# KiCad board OEM_ECU.kicad_pcb (continued)
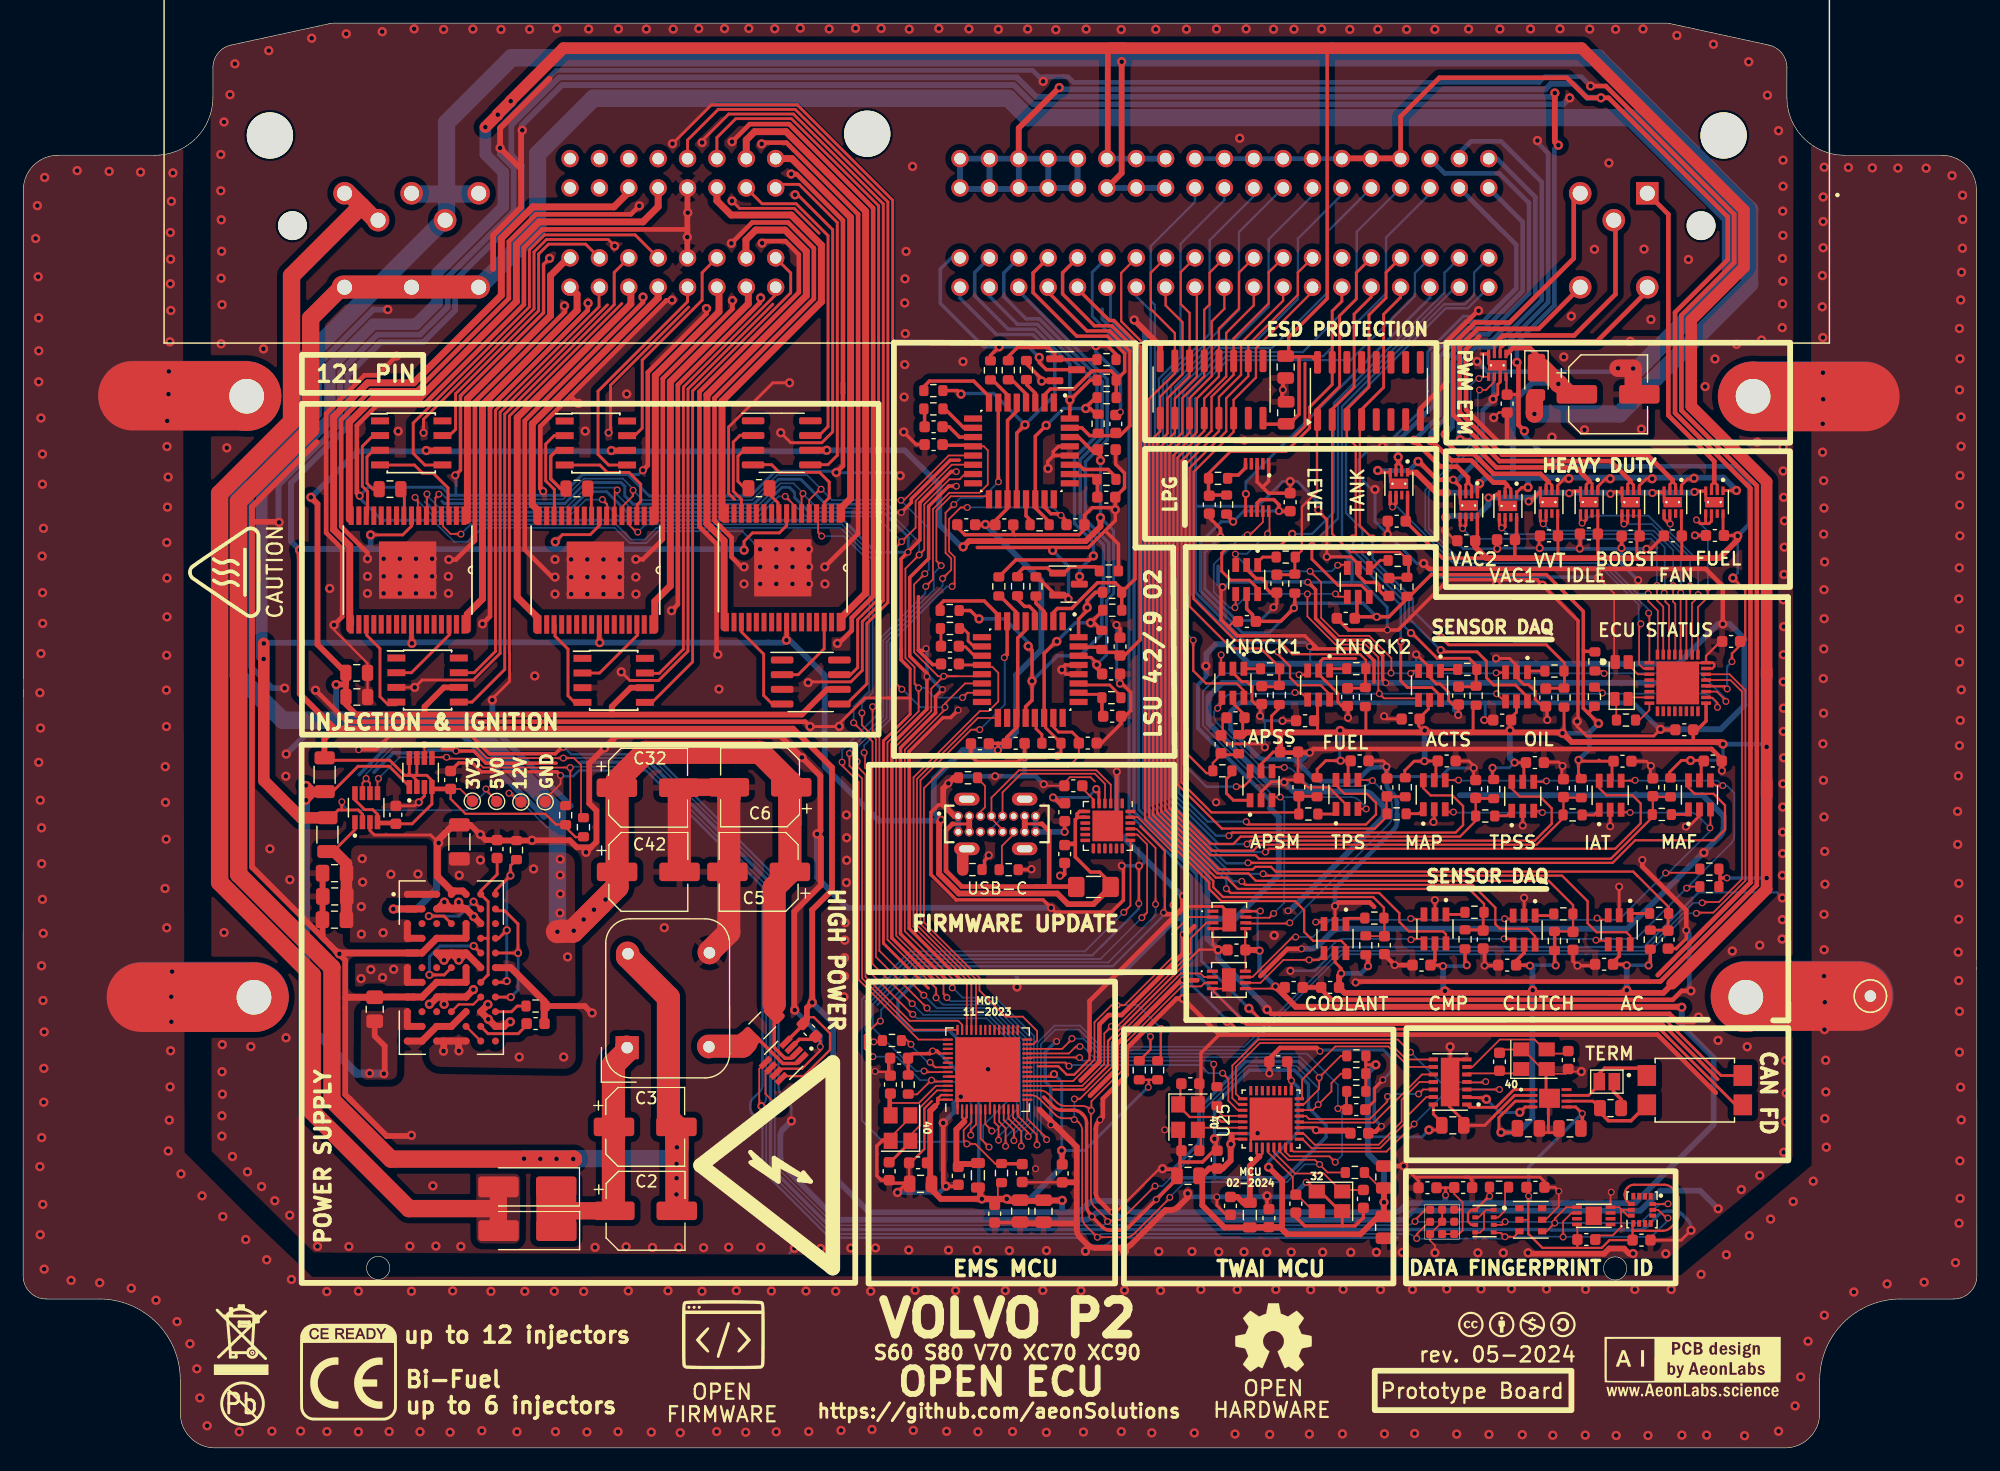
[diagram p0: board, top side]
## Routing (per net, layer and track width the routed paths; a pad name or vN(x,y) marks a point on that pad's centre or on a via; arc(x,y) is an arc through that point) (continued)
  Top w0.4: 28.42,71.81 28.42,71.23
  Top w0.6: 28.24,70.84 28.24,78.04 26.85,79.43 26.85,89.2 29.79,92.14 33.78,92.14 41.35,99.71 41.35,104.63 44.08,107.36 51.1,107.36 52.37,108.63 U15.95
INJ2: length 47.3
  Top w0.6: U15.94 54.91,107.37 53.6,106.06 44.62,106.06 42.65,104.09 42.65,99.17 34.32,90.84 30.33,90.84 28.21,88.72 28.21,80.32
INJ3: length 26.5
  Top w0.4: 38.17,80.63 38.16,80.64
  Top w0.6: U15.105 47.13,102.94 45.6,101.41 45.6,97.94 38.42,90.76 38.42,80.22
INJ4: length 33.8
  Top w0.6: U15.113 47.9,99.79 47.9,98.41 39.72,90.22 39.72,73.43 38.4,72.12 38.4,70.76
INJ5: length 34.5
  Top w0.6: U15.111 52.55,100.22 52.55,98.95 42.72,89.13 42.72,73.59 44.4,71.91 44.4,70.72
INJ6: length 25.4
  Top w0.4: 44.65,80.63 44.65,81.07
  Top w0.6: 44.41,80.14 44.41,81.2 44.03,81.59 44.03,88.59 54.91,99.48 U15.110
INJ7: length 22.6
  Top w0.6: 54.66,80.17 54.66,92.77 60.17,98.28 60.17,100.22 U15.108
INJ8: length 33.1
  Top w0.6: U15.107 62.71,100.22 62.71,98.98 55.96,92.23 55.96,74.57 54.62,73.23 54.62,70.73
INJ9: length 44.7
  Top w0.6: 60.61,70.94 60.61,78.47 59.13,79.95 59.13,91.09 67.73,99.68 67.73,103.51 65.88,105.35 63.35,105.35 62.5,104.5 62.5,102.97 U15.99
INJ10: length 39.1
  Top w0.6: 60.59,80.33 60.43,80.49 60.43,90.55 69.03,99.14 69.03,104.04 66.42,106.65 61.22,106.65 59.99,107.88 U15.92
INJ11: length 35
  Top w0.6: 65.07,111.53 66.46,111.53 71.55,106.44 71.55,82.13 70.78,81.36 70.78,80.35
INJ12: length 51.9
  Top w0.6: U15.83 62.53,113.14 63.25,113.86 65.97,113.86 72.85,106.98 72.85,73.93 70.82,71.9 70.82,70.96
KNOCK1_SENSE+: length 31.9
  Top w0.2: SP2.1 111.88,88.91 111.88,82.71 110.57,81.4 110.57,77.63 KNOCK1_R1.1
  Top w0.25: KNOCK1_C1.2 109.91,75.53 KNOCK1_R2.1 109.96,77.02 KNOCK1_R1.1 109.88,77.19 ; U15.39 115.28,101.65 115.28,99.38 113.83,97.93 113.83,91.81 111.93,89.91 SP2.1
KNOCK1_SENSE-: length 43.4
  Top w0.25: KNOCK1_SENSE1.6 106.75,74.34 106.03,75.06 104.41,75.06 103.64,75.83 103.64,77.4 104.32,78.08 108.75,78.08 v2(109.74,79.07)
  Bottom w0.2: v2(109.74,79.07) 111.45,79.07 113.34,80.96 113.34,90.39 122.9,99.95 122.9,101.65 U15.42
KNOCK2_SENSE+: length 33.3
  Top w0.2: SP2.2 113.2,79.07 114.77,77.5 119.04,77.5 119.68,76.85
  Top w0.25: 119.76,76.78 119.8,76.74 119.8,75.31 119.74,75.25 118.23,75.25 ; U15.20 116.57,99.56 115.09,98.08 115.09,91.76 113.2,89.87 SP2.2 ; KNOCK2_R2.1 119.68,76.85
KNOCK2_SENSE-: length 35.5
  Top w0.25: KNOCK2_SENSE1.6 116.4,73.93 115.71,74.62 113.7,74.62 111.44,76.88 v2(111.44,78.01)
  Bottom w0.2: v2(111.44,78.01) 111.44,78.15 113.69,80.4 113.69,90.25 123.85,100.4 U15.23
KTS_INT: length 101.4
  Top w0.15: 88.54,26.61 88.54,26.76 86.83,28.47 ESP32S1.15 ; KTS1.30 147.55,66.92 148.93,65.55 148.93,49.08 146.15,46.3 144.76,46.3
  Bottom w0.15: 88.55,26.59 88.01,27.14 88.01,34.92 89.26,36.18 91.31,36.18 93.09,34.4 105.72,34.4 114.02,42.7 140.41,42.7 143.95,46.24 v3(144.68,46.24)
  vias: v3(88.5,26.66)
KTS_RST: length 100.7
  Top w0.15: KTS1.29 147.63,66.42 148.63,65.43 148.63,49.2 146.64,47.22 145.13,47.22 ; 87.63,26.12 87.63,27.1 86,28.74 ESP32S1.14
  Bottom w0.15: v3(145.18,47.15) 144.44,47.15 140.29,43 113.89,43 105.59,34.7 93.22,34.7 91.39,36.53 89.19,36.53 87.71,35.05 87.71,26.46 87.57,26.32
  vias: v3(87.67,26.21)
LED_B_KTS10: length 2.3
  Top w0.15: 138.91,67.96 138.91,67.63 139.62,66.92 KTS1.11
LED_G_KTS15: length 1.8
  Top w0.15: KTS1.15 139.04,64.92 138.9,64.78
LED_R_KTS16: length 2.2
  Top w0.15: RGB_R1.1 139.76,62.96 140.62,63.82 KTS1.16
LPG-TANK_VALVE: length 33
  Top w0.25: 119.21,84.24 119.21,84.91 118.9,85.22 118.71,85.02 118.71,84.24
  Top w0.4: 118.9,85.65 118.9,85.22
  Bottom w0.4: v1(118.9,85.71) 118.9,87.12 121.94,90.16 121.94,94.64 124.72,97.42 126.22,97.42 129.11,100.31 129.11,104.07 U15.61
LPG_FUEL_SENSE+: length 27.2
  Top w0.25: U15.19 114.03,99.18 113.2,98.35 113.2,91.99 111.24,90.03 111.24,88.22 109.21,86.19 104.39,86.19 102.5,84.3 FUEL_LPG_R2.1
  Top w0.3: FUEL_LPG_R1.1 102.63,82.43 FUEL_LPG_C1.2 102.5,82.43 FUEL_LPG_R2.1
LPG_FUEL_SENSE-: length 26
  Top w0.25: U2.6 105.7,82.55
  Bottom w0.25: v2(105.73,82.52) 105.73,83.57 121.65,99.49 U15.22
LSU_HEAT2-: length 21.7
  Top w0.25: 80.37,102.94 U15.25
  Top w0.3: v1(84.4,95.25) 83.64,94.49 CJR22.2 83.64,94.14 ; 87.85,94.32 v1(87.86,94.33) 87.86,93.88 88.47,93.27 91.02,93.27
  Bottom w0.3: v1(87.86,94.33) 86.95,95.25 v1(84.4,95.25) 83.07,95.25 79.31,99.01 79.31,101.98 80.27,102.94 U15.25
LSU_HEAT-: length 42.4
  Top w0.3: v1(92.55,77.16) 92.2,76.81 85.83,76.81 CJR9.2 ; CJQ1.3 91.35,74.74 v1(91.35,75.38)
  Bottom w0.25: 83.55,99.76 U15.7 83.55,100.08
  Bottom w0.3: U15.7 83.55,99.62 85.96,97.21 87.68,97.21 92.85,92.05 92.85,87.58 90.92,85.64 90.92,79.97 92.55,78.34 v1(92.55,77.16) 91.35,75.96 v1(91.35,75.38)
LSU_IA: length 43.2
  Top w0.3: CJR1.1 95,74 CJR7.2 ; CJR1.1 96.15,75.17 96.15,95.06 94.13,97.07 92.63,97.07 89.88,99.82 89.88,101.65 U15.29 ; CJR1.1 94.99,74.28 94.43,74.84 92.9,74.84 90.67,72.61 89.43,72.61 89.09,72.27 89.09,71.51
LSU_IA2: length 25.7
  Top w0.3: 94.52,92.72 94.06,93.17 92.43,93.17 90.86,91.6 88.82,91.6 88.32,91.1 U12.2 ; 94.52,90.81 94.52,92.36 95.25,93.1 95.25,94.68 93.76,96.17 91.1,96.17 87.33,99.94 87.33,101.64 U15.28
LSU_IP: length 43
  Top w0.3: 91.27,70.13 91.27,71.7 92.01,72.44 v1(92.01,72.69) 92.01,73.32 92.71,74.01 CJR1.2
  Bottom w0.3: v1(92.01,72.69) 92.01,73.22 93.42,74.63 93.42,78.1 91.41,80.12 91.41,84.08 ; 91.41,84.08 91.41,85.5 93.3,87.39 93.3,92.23 87.87,97.66 86.73,97.66 84.8,99.59 84.8,101.65 U15.27 ; 91.41,84.08 91.41,84.81
LSU_IP2: length 22.3
  Top w0.3: CJR14.2 92.26,92.36 90.55,90.65 v1(90.51,90.65) 90.51,89.8 90.5,89.79 U12.32
  Bottom w0.3: U15.26 82.28,101.67 82.28,99.66 85.18,96.76 87.5,96.76 90.51,93.75 v1(90.51,90.65)
LSU_UN: length 38.8
  Top w0.3: 93.37,69.17 93.71,68.82 94.57,68.82 CJC1.2 95.23,68.54 96.6,69.91 96.6,95.24 94.32,97.52 93.92,97.52 91.17,100.27 U15.10 ; 93.07,69.27 91.33,69.27
LSU_UN2: length 21.9
  Top w0.3: 94.51,87.57 92.22,87.57 91.55,88.24 U12.31 ; 94.48,87.57 94.85,87.57 95.7,88.42 95.7,94.87 93.95,96.62 91.99,96.62 88.63,99.98 U15.9
LSU_VM: length 57.2
  Top w0.3: v1(82.66,71.71) 82.63,71.71 81.91,72.44 80.78,72.44 ; U28.20 86.69,64.12 87.24,64.67 v1(87.24,66.33) 87.24,69.02 v1(86.91,69.35)
  Bottom w0.25: 86.11,100.38 U15.8
  Bottom w0.3: U15.8 86.09,100.08 93.75,92.42 93.75,87.2 91.86,85.31 91.86,80.3 93.87,78.29 93.87,74.09 93.26,73.48 93.26,70.39 91.39,68.52 89.43,68.52 v1(87.24,66.33) ; 86.91,69.6 v1(86.91,69.35) 86.91,69.66 84.86,71.71 v1(82.66,71.71)
LSU_VM2: length 33.3
  Top w0.3: CJR16.2 80.79,91.46 v1(81.1,91.16) ; U12.20 85.92,87.79 v1(86.63,88.5)
  Bottom w0.3: U15.6 81.01,99.46 84.16,96.31 87.31,96.31 89.2,94.42 89.2,91.07 v1(86.63,88.5) 83.92,91.21 81.15,91.21 v1(81.1,91.16) ; 80.83,99.9 80.82,99.91
MAF_SENSE+: length 99.1
  Top w0.2: 98.76,78.01 98.76,78.38 ; 98.76,78.01 98.76,55.18 102.67,51.27 106.56,51.27 106.87,50.96 137.3,50.96 140.87,54.54 MAF_R4.1 140.92,54.84 MAF_C3.2 140.98,56.31 MAF_R3.1 ; 98.76,78.01 98.76,86.33 100.23,87.8 100.23,90.81 102.13,92.71 SP1.5 102.13,98.45 102.59,98.91 102.59,101.66 U15.34
  Top w0.25: 142.33,56.34 142.36,56.31 ; 140.71,54.87 140.64,54.8
MAF_SENSE-: length 115.2
  Top w0.2: v3(105.91,50.61) 137.44,50.61 139.39,52.56 146.23,52.56 147.16,53.49 147.16,55.59 146.17,56.58 144.53,56.58 144,57.11 MAF_SENSE1.6
  Bottom w0.2: U15.54 106.41,108.28 102.6,104.47 102.6,96.38 98.56,92.33 98.56,78.58 ; v3(105.91,50.61) 105.87,50.57 104.04,50.57 98.56,56.06 98.56,78.58 ; 98.56,78.58 98.56,78.97
MAP_SENSE+: length 69.4
  Top w0.2: 117.89,56.37 117.89,54.89 ; 99.81,77.7 99.81,85.65 102.13,87.97 SP1.12 102.13,90.79 104.03,92.69 104.03,96.45 106.41,98.83 U15.16 ; 99.81,77.7 99.81,57.42 103.65,53.58 116.89,53.58 117.94,54.63 MAP_R2.1 ; 99.81,77.7 99.81,77.89
  Top w0.25: 119.47,56.33 117.93,56.33 117.89,56.37 ; 117.89,54.89 117.87,54.86
MAP_SENSE-: length 94
  Top w0.2: MAP_SENSE1.6 121.07,57.07 121.7,56.44 123.59,56.44 124.51,55.52 124.51,53.87 123.87,53.23 104.54,53.23 v3(104.26,52.95)
  Bottom w0.2: 99.61,78.13 99.61,78.37 ; 99.61,78.13 99.61,91.77 101.83,93.99 ; 99.61,78.13 99.61,56.49 103.15,52.95 v3(104.26,52.95) ; 101.83,93.99 103.33,95.49 106.34,95.49 110.23,99.38 110.23,104.61 114.03,108.41 U15.57 ; 101.83,93.99 102.06,94.22
MC33810_1-CS: length 103.7
  Top w0.15: v3(78.16,38.04) 78.16,38.05 73.74,42.47 73.74,61.32 72.53,62.53 v3(72.53,63.58) ; 37.84,79.07 36.96,79.07 36.3,79.73 36.3,80.51 U5.4 ; v3(84.34,26.61) 84.34,27.8 84,28.14 84,29.28
  Bottom w0.15: v3(72.53,63.58) 72.53,64.41 73.46,65.34 73.46,76.81 70.68,79.59 54.78,79.59 53.77,78.58 52.59,78.58 51.27,79.89 38.71,79.89 v3(37.86,79.05) ; v3(78.16,38.04) 78.45,37.75 83.58,37.75 86.21,35.13 86.21,28.8 84.34,26.94 v3(84.34,26.61)
MC33810_2-CS: length 87.1
  Top w0.15: v3(77.89,39.16) 74.04,43 74.04,61.44 73.45,62.03 v3(73.45,64.12) ; 84.4,29.28 84.4,28.21 84.95,27.66 v3(84.95,26.09) ; 52.45,80.63 52.45,79.8 53.03,79.22 v3(53.15,79.22)
  Bottom w0.15: v3(53.15,79.22) 53.83,79.89 70.8,79.89 73.76,76.93 73.76,64.43 v3(73.45,64.12) ; v3(77.89,39.16) 78.99,38.05 83.7,38.05 86.51,35.25 86.51,28.42 84.95,26.87 v3(84.95,26.09)
MC33810_3-CS: length 69.3
  Top w0.15: v3(83.76,27.41) 83.76,27.44 83.2,28.01 83.2,29.28 83.2,29.28 ; v3(76.88,38.42) 76.88,38.43 73.44,41.87 73.44,61.1 v3(71.81,62.73) ; v3(69.05,78.87) 68.74,79.18 68.74,80.7 U18.4
  Bottom w0.15: v3(83.76,27.41) 84.07,27.41 85.91,29.25 85.91,35 83.45,37.45 77.85,37.45 v3(76.88,38.42) ; v3(69.05,78.87) 70.97,78.87 73.16,76.68 73.16,65.47 71.81,64.12 v3(71.81,62.73)
MCP_CLKO_C3: length 23.3
  Top w0.15: U25.8 109.66,25.83 109.85,25.63 117.89,25.63 v3(120.28,28.02) ; v3(127.66,31) U1.3
  Bottom w0.15: v3(120.28,28.02) 120.28,28.04 123.24,31 v3(127.66,31)
MCP_INT0_C3: length 14.9
  Top w0.15: 110.59,30.2 110.59,31.85 113.46,34.72 118.06,34.72 119.83,32.95 U1.9
MCP_INT1_C3: length 21.7
  Top w0.15: U1.8 119.6,33.6 118.18,35.02 106.94,35.02 104.86,32.94 104.86,30.63 105.29,30.2 U25.25 ; 105.46,30.22 105.35,30.22
MCP_INT_C3: length 30
  Top w0.15: U25.26 105.11,29.7 104.56,30.25 104.56,33.07 106.82,35.32 118.87,35.32 v3(119.97,34.22) ; v3(126.47,31.68) 126.4,31.61 124.88,31.61 U1.4
  Bottom w0.15: v3(126.47,31.68) 126.41,31.62 122.57,31.62 v3(119.97,34.22)
MCP_OSC1: length 10.4
  Top w0.15: 133.56,34.11 131.79,34.11 131.75,34.07 131.75,34.27 130.7,35.32 127.69,35.32 125.32,32.95 U1.6
MCP_OSC2: length 4.8
  Top w0.15: 129.55,32.37 129.53,32.39 124.93,32.39 U1.5
MCP_SPI_CS_C3: length 14
  Top w0.15: U1.13 121.34,30.35 119.5,28.51 119.5,28.09 117.34,25.93 111.4,25.93 110.63,26.7 U25.9
MCP_SPI_SCK_C3: length 13.3
  Top w0.15: U1.10 120.96,32.3 116.8,28.14 110.42,28.14 U25.12
MCP_SPI_SDI_C3: length 15.4
  Top w0.15: U1.11 120.74,31.65 119.2,30.11 119.2,28.22 117.22,26.23 111.68,26.23 110.69,27.22 110.36,27.22
MCP_SPI_SDO_C3: length 13
  Top w0.15: U1.12 121.05,31 v3(120.66,30.61) ; 118.02,30.51 117.96,30.45 117.96,29.96 116.44,28.44 111.2,28.44 110.94,28.7 U25.13
  Bottom w0.15: 118.02,30.51 118.12,30.61 v3(120.66,30.61)
  vias: v3(117.98,30.4)
OUTEN_1: length 2.4
  Top w0.25: 32.96,80.63 32.96,82.63 R5.1
OUTEN_2: length 2.5
  Top w0.25: 49.2,80.63 49.13,80.69 49.13,82.68 R6.1
OUTEN_3: length 2.4
  Top w0.25: U18.9 65.27,80.92 65.27,81.75 64.42,82.6 64.42,82.84
RXD0: length 46.5
  Top w0.15: 78.03,32.5 79.33,32.5 ; 79.96,32.52 79.94,32.5 79.24,32.5 ; 77.94,32.59 78.03,32.5 ; v3(97.92,47.02) 97.92,51.9 96.26,53.55 U29.21
  Bottom w0.15: 77.94,32.59 77.2,32.59 73.48,36.31 73.48,38.4 77.07,41.99 93.83,41.99 97.92,46.08 v3(97.92,47.02)
  vias: v3(77.9,32.6)
S3-LSU-CJ_RST: length 40.9
  Top w0.15: v3(82.72,62.13) 81.97,62.13 77.59,57.75 77.59,45.34 82.4,40.53 ESP32S1.38
  Top w0.3: v3(84.84,68.36) 85.09,68.61 85.09,71.51
  Bottom w0.15: v3(84.84,68.36) 84.88,68.32 84.88,64.29 v3(82.72,62.13)
S3-LSU-CJ_RST2: length 67
  Top w0.15: ESP32S1.41 81.2,36.61 80.86,36.94 76.65,36.94 72.84,40.75 72.84,58.23 72.12,58.95 v3(72.12,59.38) ; v3(80.48,81.61) 79.76,80.89 79.76,77.43 80.25,76.94 80.25,75.95 v3(79.5,75.2)
  Top w0.3: U12.7 84.32,83.68 84.28,83.63
  Bottom w0.15: v3(72.12,59.38) 72.12,60.6 74.66,63.14 74.66,69.73 79.5,74.57 v3(79.5,75.2) ; v3(80.48,81.61) 81.06,82.19 82.96,82.19 v3(84.34,83.57)
S3-U1CTS_C3-RST-EN: length 43.3
  Top w0.15: 109.16,26.02 109.16,25.6 109.53,25.22 112.95,25.22 v3(113.46,24.71) ; v3(90.69,35.41) 90.69,35.36 89.85,34.52 ESP32S1.26
  Top w0.25: v3(113.69,29.35) 113.8,29.46 114.53,29.46 114.43,29.56 114.43,30.72
  Bottom w0.15: v3(113.46,24.71) 114.05,25.3 114.05,28.99 v3(113.69,29.35) 113.69,31.42 111,34.1 92.97,34.1 91.66,35.41 v3(90.69,35.41)
S3-U1RTS_C3-BOOT-DTR: length 33.1
  Top w0.15: ESP32S1.25 90.43,34.12 91.03,34.72 v3(91.38,34.72) ; 110.39,29.75 110.77,29.75 112.06,31.04 v3(112.06,32.03) 113.94,33.91 C3P15_R1.2
  Top w0.2: 110.39,29.75 110.36,29.72
  Bottom w0.15: v3(112.06,32.03) 112.06,32.18 110.44,33.8 92.56,33.8 91.64,34.72 v3(91.38,34.72)
S3-U1RXD_C3-U0TXD: length 18.6
  Top w0.15: v3(91.35,33.76) 91.34,33.78 86.89,33.78 ESP32S1.24 ; v3(102.95,33.19) 102.95,31.52 C3P28_R1.1 103.4,31.25 ; 86.83,33.71 86.85,33.69
  Bottom w0.15: v3(102.95,33.19) 102.64,33.5 91.61,33.5 v3(91.35,33.76)
S3-U1TXD_C3-U0RXD: length 21.5
  Top w0.15: ESP32S1.23 86.85,33.33 90.13,33.33 v3(90.44,33.03) ; 105.46,29.22 105.02,29.22 104.22,30.03 104.22,31.92 v3(103.72,32.41) ; 86.86,33.34 86.84,33.32
  Bottom w0.15: v3(90.44,33.03) 90.53,33.12 101.78,33.12 102.49,32.41 v3(103.72,32.41)
S3_BOOST_OUT: length 16.7
  Top w0.15: 143.33,73.95 143.33,73.5 143.32,73.49 KTS1.4
  Top w0.25: 138.59,79.92 138.75,80.08 U20.6 ; U20.5 138.25,80.09 v3(138.42,79.92)
  Bottom w0.15: v3(138.42,79.92) 140.83,79.92 143.33,77.42 v3(143.33,73.97)
S3_FAN_OUT: length 14.6
  Top w0.15: 144.76,73.82 144.76,73.53 144.3,73.07 144.3,68.64 KTS1.2
  Top w0.25: U19.5 141.89,80.36 142.32,79.93 v3(142.42,79.93) 142.39,79.96 U19.6
  Bottom w0.15: v3(142.42,79.93) 142.42,79.18 144.84,76.76 v3(144.84,73.82)
S3_FUEL_PUMP_OUT: length 15.4
  Top w0.15: v3(145.67,74.4) 145.67,73.58 144.82,72.73 KTS1.1
  Top w0.25: v3(144.69,80.28) 145.02,79.95 145.78,79.95 145.99,80.16 145.99,80.82 ; 145.49,80.82 145.49,79.99
  Bottom w0.15: v3(144.69,80.28) 145.68,79.29 145.68,74.41 v3(145.67,74.4)
S3_I2C_SCL: length 32.6
  Top w0.15: U10.2 100.82,45.92 99.37,44.47 99.37,42.44 95.23,38.29 v3(94.57,38.29) 94.11,38.29 92.64,36.82 92.64,33.58 90.78,31.72 89.89,31.72 89.8,31.72 86.84,31.72
  Top w0.2: v3(98.4,36.28) 98.37,36.25 98.37,33.76 98.24,33.63 98.01,33.63
  Bottom w0.15: v3(98.4,36.28) 96.39,38.29 v3(94.57,38.29)
S3_I2C_SCL_C3: length 228.5
  Top w0.15: 47.02,55.58 47.31,55.87 v3(47.31,58.85) 39.78,58.85 39.01,59.62 36.74,59.62 v3(36.62,59.74) 35.4,59.74 INA5.5 ; v3(120.5,18.11) 120.5,18.49 121.57,19.55 IC_ENS1.2 ; v3(90.9,30.18) 91.37,30.18 94.14,32.95 94.14,35.07 99.77,40.7 99.77,40.71 100.1,41.04 101.8,41.04 102.11,40.73 102.84,40.73 ; U16.6 133.9,20.32 133.16,19.58 v3(133.16,18.24) ; v3(142.23,19.88) 142.09,19.88 141.38,20.59 IMU2.13 ; 30.9,57.76 30.75,57.91 v3(30.72,57.91) 30.64,57.83 INA4.5 ; 86.83,30.51 87.14,30.51 arc(87.53,30.44) 87.85,30.22 89.27,28.81 arc(89.59,28.59) 89.97,28.51 90.51,28.51 arc(90.89,28.44) 91.21,28.22 91.29,28.15 arc(91.5,27.82) 91.58,27.44 91.58,19.95 arc(91.66,19.56) 91.87,19.24 v3(92.89,18.22) 95.35,18.22 arc(95.73,18.3) 96.05,18.52 99.15,21.61 v3(99.15,21.67) ; v2(63.84,29.56) 63.65,29.75 63.65,32.79 INA1.5 ; U21.3 128.91,18.26 v3(128.13,18.26) 127.79,18.6 127.2,18.6 U9.4 ; C3P6_R1.2 112.8,23.82 111.7,24.92 109.38,24.92 108.66,25.65 108.66,26.02
  Bottom w0.15: v3(90.89,28.39) 90.89,29.13 90.9,29.14 v3(90.9,30.18) ; v3(99.15,21.67) 99.15,21.7 100.44,22.99 109.29,22.99 110.82,24.52 v3(112.1,24.52) ; 47.29,58.93 47.3,58.93 54.01,58.93 64.26,48.68 64.26,30.29 64.25,30.21 64.22,30.07 64.17,29.93 64.09,29.81 64.04,29.76 v2(63.84,29.56) 64.04,29.37 arc(64.2,29.12) 64.26,28.84 64.26,24.53 arc(64.33,24.15) 64.55,23.82 69.57,18.8 arc(69.9,18.58) 70.28,18.51 92.61,18.51 v3(92.89,18.22) 93.18,18.51 119.69,18.51 arc(120.07,18.43) 120.4,18.21 v3(120.5,18.11) 127.98,18.11 v3(128.13,18.26) 128.14,18.27 133.13,18.27 v3(133.16,18.24) 133.18,18.26 140.4,18.26 arc(140.78,18.34) 141.1,18.56 142.23,19.68 v3(142.23,19.88) ; v3(30.72,57.91) 32.55,59.74 v3(36.62,59.74)
S3_I2C_SCL_C3_5V0: length 82.8
  Top w0.15: 136.15,45.92 136.39,45.69 136.87,45.69 137.06,45.88 AC_SENSE1.3 ; v3(131.37,54.96) 131.22,55.11 TPSS_SENSE1.3 ; v3(123.68,55) 123.21,55 MAP_SENSE1.3 ; U11.7 106.3,40.73 109.74,44.17 110.08,44.17 ; v3(145.86,53.63) 145.9,53.67 MAF_SENSE1.3 ; v3(138.96,54.96) 138.92,55 138.38,55 IAT_SENSE1.3 ; 127.89,45.77 128.75,45.77 ; v3(142.03,49.73) 142.05,49.75 144.66,49.75 I2C_SCL_R1.2 ; 120.1,45.76 120.96,45.76
  Top w0.2: v3(111.77,45.48) 111.78,45.47 112.33,45.47 COOLANT_SENSE1.3 112.5,45.32 112.5,45.68
  Bottom w0.15: 138.29,54.96 123.72,54.96 v3(123.68,55) ; 138.29,54.96 144.12,54.96 arc(144.5,54.89) 144.82,54.67 v3(145.86,53.63) ; 138.29,54.96 v3(138.96,54.96) ; 113.95,45.68 113.03,45.68 111.54,44.19 110.06,44.19 ; 113.95,45.68 137.57,45.68 arc(137.95,45.76) 138.28,45.98 v3(142.03,49.73) 142.25,49.73 145.86,53.34 v3(145.86,53.63) ; 113.95,45.68 111.97,45.68 v3(111.77,45.48) ; v3(145.86,53.63) 145.73,53.5
  vias: v3(110.04,44.19) v3(119.98,45.79) v3(128.1,45.77) v3(136.1,45.83)
S3_I2C_SDA: length 30.4
  Top w0.15: 86.84,31.32 86.84,31.32 91.59,31.32 93.49,33.22 93.49,35.85 v3(94.1,36.46) 94.61,36.46 99.12,40.97 99.12,40.98 100.96,42.82 100.96,44.07 102.31,45.42 U10.3
  Top w0.2: v3(97.48,35.58) 97.48,34.46 96.66,33.64 96.45,33.64
  Bottom w0.15: v3(97.48,35.58) 97.47,35.58 96.59,36.46 v3(94.1,36.46)
S3_I2C_SDA_C3: length 236.3
  Top w0.15: U16.5 133.43,20.82 132.44,19.83 v3(132.44,19.45) 131.72,18.73 U21.4 ; 65.3,29.51 64.18,30.63 64.18,32.4 INA1.6 ; v3(92.37,29.18) 92.26,29.29 arc(91.93,29.51) 91.55,29.59 90.09,29.59 arc(89.71,29.66) 89.38,29.88 88.63,30.63 arc(88.31,30.85) 87.93,30.92 86.84,30.92 ; v3(92.37,29.18) 92.37,29.98 94.99,32.59 94.99,34.72 100.19,39.92 101.86,39.92 102.17,40.23 102.84,40.23 ; v3(92.37,29.18) 92.33,29.14 92.33,21.57 arc(92.41,21.18) 92.62,20.86 93.77,19.71 v3(93.77,19.58) 93.85,19.66 94.46,19.66 arc(94.84,19.74) 95.16,19.96 97.86,22.65 v3(97.88,22.65) ; v3(120.35,19.58) 120.35,19.7 121.25,20.6 IC_ENS1.1 ; INA4.6 29.99,57.53 29.75,57.77 29.58,57.77 29.34,57.53 INA4.7 ; C3P14_R1.2 113.94,32.37 113.13,31.56 113.13,30.84 111.51,29.22 110.36,29.22 ; v3(34.68,60.84) 38.94,60.84 40.11,59.67 v3(46.71,59.67) 47.63,59.67 48.24,59.06 48.24,54.78 48.53,54.49 ; v3(142.24,21.11) 142.22,21.09 IMU2.14 ; v3(128.15,19.56) 127.88,19.29 U9.3 ; 34.7,60.82 34.69,60.82 INA5.6
  Bottom w0.15: v3(34.68,60.84) 32.2,60.84 29.66,58.3 v3(29.66,57.91) ; v3(111.99,29.7) 111.99,31.14 110.07,33.05 105.87,33.05 102.06,29.24 102.06,26.2 98.51,22.65 v3(97.88,22.65) ; 65.01,34.54 65.01,34.85 ; 65.01,34.54 65.01,30.15 arc(65.06,29.86) 65.22,29.62 65.32,29.52 ; 65.01,34.54 65.01,49.01 54.34,59.68 46.7,59.68 46.68,59.69 ; v2(65.39,29.43) 65.22,29.27 arc(65.06,29.02) 65.01,28.74 65.01,24.84 arc(65.08,24.46) 65.3,24.13 69.88,19.55 arc(70.21,19.33) 70.59,19.26 93.45,19.26 v3(93.77,19.58) 94.1,19.26 119.61,19.26 arc(119.99,19.33) 120.32,19.55 v3(120.35,19.58) 120.38,19.55 128.14,19.55 v3(128.15,19.56) 128.16,19.55 132.34,19.55 v3(132.44,19.45) 139.43,19.45 arc(139.81,19.53) 140.13,19.75 141.21,20.82 arc(141.53,21.04) 141.91,21.11 v3(142.24,21.11)
S3_I2C_SDA_C3_5V0: length 88.6
  Top w0.15: 136.04,43.87 136.75,43.87 AC_SENSE1.4 ; 120.08,44.02 120.91,44.02 ; U11.6 107,40.23 108.98,42.21 v3(111.2,42.21) ; MAF_SENSE1.4 146.35,57.29 v3(146.97,57.29) ; v3(139.39,57.75) 139.35,57.71 IAT_SENSE1.4 ; 131.63,57.75 131.5,57.62 TPSS_SENSE1.4 ; 127.87,44.03 128.7,44.03 ; MAP_SENSE1.4 122.98,57.76 v3(124.12,57.76) ; v3(143.84,48.42) 143.97,48.55 I2C_SDA_R1.1
  Top w0.2: v3(111.2,42.21) 112.05,42.21 112.49,42.65 COOLANT_SENSE1.4
  Bottom w0.15: 138.78,57.72 139.36,57.72 v3(139.39,57.75) ; 138.78,57.72 124.16,57.72 v3(124.12,57.76) ; 138.78,57.72 146.54,57.72 v3(146.97,57.29) 147.32,57.29 147.96,56.65 147.96,52.98 arc(147.88,52.59) 147.67,52.27 143.84,48.44 v3(143.84,48.42) 144.5,49.09 ; v3(111.2,42.21) 111.52,42.21 arc(111.9,42.29) 112.23,42.51 113.45,43.73 arc(113.78,43.95) 114.16,44.02 139.03,44.02 arc(139.41,44.1) 139.74,44.32 144.6,49.18
  vias: v3(120,43.96) v3(128.06,44.03) v3(131.72,57.69) v3(136,43.92)
S3_IDLE_OUT: length 21.5
  Top w0.15: v3(144.14,74.56) 144.14,73.76 143.82,73.44 KTS1.3
  Top w0.25: U26.5 134.66,80.19 134.86,79.99 135.16,80.29 U26.6
  Bottom w0.15: v3(144.14,74.56) 144.14,77.03 140.53,80.64 135.51,80.64 134.83,79.96
  vias: v3(134.8,79.99)
S3_LPG_TANK_VALVE: length 33.3
  Top w0.15: KTS1.10 140.1,67.42 139.73,67.79 139.73,71.14 v3(139.88,71.29)
  Top w0.3: U32.6 118.71,81.7 118.42,81.41 118.21,81.62 U32.5
  Bottom w0.15: v3(118.41,81.39) 118.83,81.39 123.98,76.24 136.39,76.24 139.7,72.94 139.7,71.48 v3(139.88,71.29)
S3_SPI2-MISO: length 132.3
  Top w0.15: v3(50.09,82.04) 50.49,81.64 50.49,79.89 ; v3(65.9,82.31) 66.65,81.56 U18.7 ; v3(33.89,82.22) 34.13,81.98 34.13,80.75 34.26,80.63 ; v3(75.98,65.62) 75.54,66.06 75.54,77.97 v3(75.96,78.39) 77.17,79.6 77.17,81.92 80.3,85.05 82.13,85.05 U12.14 ; v3(86.91,26.93) 86.91,27.26 85.6,28.57 85.6,29.28 ; v3(80.34,39.79) 80.34,40.59 76.24,44.69 76.24,60.4 79.71,63.87 79.71,64.39 81.45,66.13 82.91,66.13
  Bottom w0.15: v3(79.71,64.07) 77.59,64.07 76.04,65.62 v3(75.98,65.62) ; v3(75.96,78.39) 73.76,80.59 67.67,80.59 65.95,82.31 v3(65.9,82.31) 65.34,82.31 63.62,80.59 51.44,80.59 50.29,81.75 50.29,81.84 v3(50.09,82.04) 48.67,82.04 47.22,80.59 35.45,80.59 33.89,82.15 v3(33.89,82.22) ; v3(86.91,26.93) 87.41,27.43 87.41,35.15 87.41,35.15 87.41,35.62 84.08,38.95 81.24,38.95 80.4,39.79 v3(80.34,39.79)
S3_SPI2-MOSI: length 134.9
  Top w0.15: v3(78.94,38.93) 78.94,39.76 74.74,43.96 74.74,61.02 77.43,63.71 v3(77.43,65.74) 77.08,66.09 77.08,67.54 76.29,68.33 76.29,76.06 v3(77.48,77.25) 77.92,77.69 77.92,81.61 80.1,83.79 80.98,83.79 81.43,84.24 U12.15 ; U28.15 81.66,65.33 v3(81.23,64.9) ; v3(85.67,26.58) 85.67,27.5 84.79,28.38 84.79,29.28 ; v3(51.37,82.86) 51.15,82.64 51.15,80.63 ; 34.92,80.63 34.92,82.57 ; v3(67.43,82.56) 67.31,82.44 U18.6
  Bottom w0.15: v3(34.92,82.52) 34.92,82.39 35.96,81.35 46.99,81.35 48.71,83.07 51.16,83.07 v3(51.37,82.86) 51.37,82.46 52.54,81.29 63.33,81.29 65.48,83.44 66.61,83.44 67.43,82.62 v3(67.43,82.56) 67.43,82.53 68.67,81.29 74.54,81.29 75.26,80.57 75.26,80.57 77.48,78.35 v3(77.48,77.25) 77.48,77.04 ; v3(85.67,26.58) 85.67,27.14 86.81,28.28 86.81,35.37 83.83,38.35 79.52,38.35 v3(78.94,38.93) ; v3(77.43,65.74) 77.98,65.74 78.82,64.9 v3(81.23,64.9)
S3_SPI2-SCK: length 134.7
  Top w0.15: v3(77.97,75.62) 77.04,74.69 77.04,68.83 79.12,66.75 82.73,66.75 82.91,66.93 ; 35.58,80.59 U5.5 35.64,80.75 35.64,82.19 v3(35.95,82.5) ; 85.2,29.28 85.2,28.49 86.3,27.39 86.3,26.11 v3(86.31,26.1) ; U18.5 67.97,82.01 68.9,82.93 v3(69,82.93) ; 80.8,66.75 v3(79.6,66.75) 78.53,65.68 78.53,63.75 75.49,60.71 75.49,44.31 79.58,40.22 79.58,39.25 v3(79.88,38.95) ; 51.81,80.63 51.89,80.71 51.89,81.51 52.74,82.36 v3(52.74,82.84) ; v3(75.9,81.97) 76.16,81.97 80.04,85.85 82.13,85.85 U12.13
  Bottom w0.15: v3(79.88,38.95) 80.18,38.65 83.95,38.65 87.11,35.49 87.11,35.28 87.11,35.27 87.11,28.15 86.34,27.39 86.34,26.13 v3(86.31,26.1) ; v3(35.95,82.5) 36.25,82.5 36.7,82.05 46.7,82.05 48.5,83.85 51.85,83.85 52.74,82.96 v3(52.74,82.84) 53.59,81.99 63.04,81.99 65.19,84.14 67.79,84.14 v3(69,82.93) 69.94,81.99 75.88,81.99 v3(75.9,81.97) 75.9,81.95 78.31,79.54 78.31,75.96 v3(77.97,75.62)
S3_VAC1_OUT: length 29.2
  Top w0.15: v3(141.27,74.61) 141.27,73.31 141.82,72.76 KTS1.7
  Top w0.25: 124.26,80.49 124.26,79.75 v3(124.47,79.53) 124.76,79.82 124.76,80.49
  Bottom w0.15: v3(141.27,74.61) 141.27,78.13 140.76,78.64 125.36,78.64 v3(124.47,79.53)
S3_VAC2_OUT: length 25.9
  Top w0.15: 142,73.87 142,73.2 142.32,72.88 KTS1.6
  Top w0.25: 127.65,80.42 127.65,79.78 v3(127.85,79.58) ; 128.15,80.42 128.15,79.67 128.06,79.58
  Bottom w0.15: v3(141.91,73.96) 141.95,74 141.95,77.9 140.81,79.04 128.39,79.04 v3(127.85,79.58)
S3_VVT_OUT: length 23.5
  Top w0.15: 142.56,74.48 v3(142.67,74.59) 142.67,73.2 142.86,73.01 142.86,68.66 KTS1.5
  Top w0.25: U27.6 131.69,80.19 v3(131.44,79.94) 131.19,80.19 U27.5
  Bottom w0.15: 131.47,79.91 v3(131.44,79.94) 132.04,79.34 140.98,79.34 142.67,77.66 v3(142.67,74.59)
SPICLK: length 0
  Top w0.15: 84.39,36.16 84.39,36.15 84.39,36.15 84.37,36.18
SPIQ: length 0
  Top w0.15: 83.99,36.16 83.99,36.15 83.99,36.15
TPS_SENSE+: length 63.4
  Top w0.2: U15.36 107.7,101.69 107.7,99 104.67,95.97 SP1.3 104.67,92.83 102.76,90.92 102.76,87.98 100.16,85.38 100.16,57.56 102.75,54.97 110.17,54.97 TPS_R4.1
  Top w0.25: TPS_R4.1 110.31,54.84 TPS_C3.2 111.84,56.38 TPS_R3.1
TPS_SENSE-: length 86.5
  Top w0.2: 113.52,57.33 114.27,56.58 116.2,56.58 116.98,55.8 116.98,54.79 116.12,53.93 105.87,53.93 105.75,54.04
  Top w0.25: 113.52,57.33 TPS_SENSE1.6
  Bottom w0.2: 99.96,78.1 99.96,78.19 ; 99.96,78.1 99.96,91.63 102.02,93.69 ; 99.96,78.1 99.96,56.64 102.42,54.17 v3(105.76,54.17) ; 102.02,93.69 103.47,95.14 107.97,95.14 112.77,99.94 112.77,105.19 U15.58 ; 102.02,93.69 102.39,94.06
